# Altium PCB Bran_Main_Assay_PCB_v1.PcbDoc (part 1 of 4) (continued)
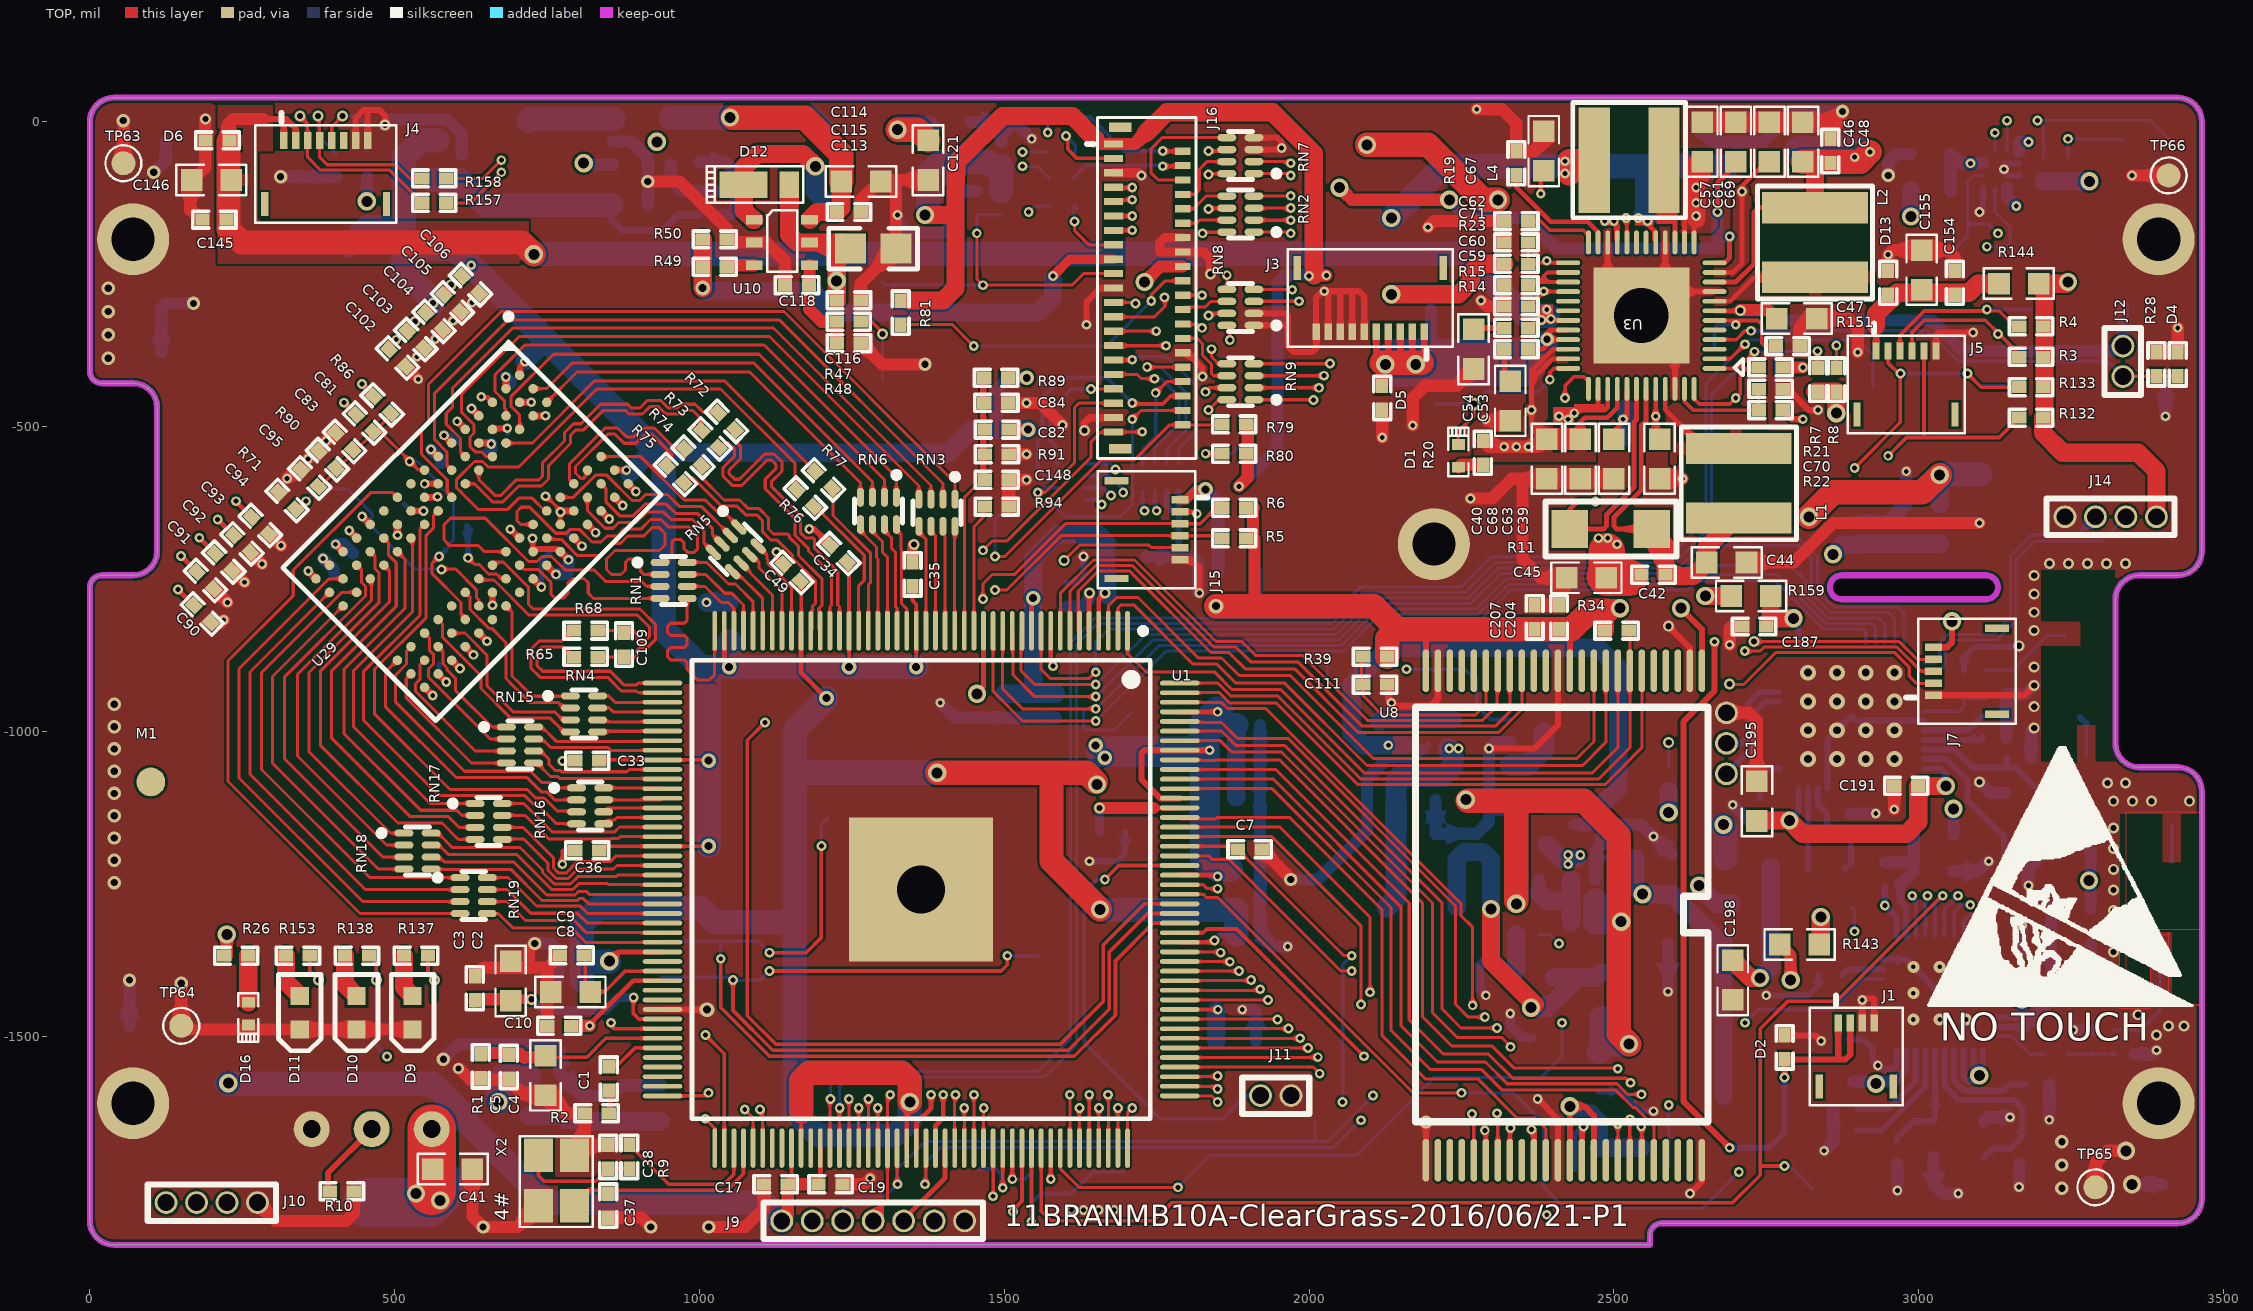
[diagram p0: TOP view]
## Components (designator, comment, footprint, x,y, rotation, side; value= is the part's Value field where it differs from the comment) (continued)
R2 "0R" R_0402 831.37,-1626.63 r0 top
R3 "4.7K" R_0402 3184.37,-385.63 r180 top
R4 "4.7K" R_0402 3184.37,-335.63 r180 top
R5 "4.7K" R_0402 1877.37,-683.63 r180 top
R6 "4.7K" R_0402 1877.37,-633.63 r180 top
R7 "4.7K" R_0402 2835,-423.15 r90 top
R8 "4.7K" R_0402 2865,-423.15 r90 top
R9 "0R" R_0402 885,-1698.15 r90 top
R10 "NC/100R" R_0402 413.37,-1754.63 r180 top
R11 "0R03" R_1206 2495,-668.15 r180 top
R12 "100K-1%" R_0402 1035,-133.15 r90 bottom
R13 "150K-1%" R_0402 1000,-133.15 r270 bottom
R14 "1R" R_0402 2340,-373.15 r0 top
R15 "1R" R_0402 2340,-338.15 r180 top
R17 "100K-1%" R_0402 2195,-1003.15 r90 bottom
R18 "442K-1%" R_0402 2155,-1003.15 r270 bottom
R19 "200K-1%" R_0402 2340,-68.15 r270 top
R20 "60.4R" R_0402 2285,-543.15 r270 top
R21 "47K" R_0402 2757.07,-403.15 r0 top
R22 "1K" R_0402 2757.07,-473.15 r0 top
R23 "47K" R_0402 2340,-233.15 r180 top
R24 "3M-1%" R_0402 2450,-1278.15 r0 bottom
R26 "60.4R" R_0402 240,-1368.15 r180 top
R27 "1M-1%" R_0402 2450,-1243.15 r180 bottom
R28 "510R" R_0402 3390,-398.15 r90 top
R32 "NC/0R-1%" R_0402 2455,-1683.15 r180 bottom
R34 "10K" R_0402 2504.57,-834.72 r0 top
R35 "NC/0R-1%" R_0402 2455,-1718.15 r0 bottom
R39 "10K" R_0402 2108.37,-877.63 r180 top
R44 "33R" R_0402 1593.37,8.37 r180 bottom
R45 "33R" R_0402 1594.37,-49.63 r180 bottom
R46 "33R" R_0402 1593.37,-92.63 r180 bottom
R47 "47K" R_0402 1245,-328.15 r0 top
R48 "100K" R_0402 1245,-363.15 r180 top
R49 "2K2-1%" R_0402 1025,-238.15 r180 top
R50 "2R2-1%" R_0402 1025,-193.15 r180 top
R54 "33R" R0402 1595,-138.15 r180 bottom
R55 "10K" R_0402 1495,-133.15 r90 bottom
R65 "24R-1%" R_0402 813.2,-877.81 r180 top
R68 "24R-1%" R_0402 813.19,-834.8 r180 top
R71 "240R-1%" R_0402 323.59,-621.54 r315 top
R72 "24R-1%" R_0402 1044.59,-491.54 r135 top
R73 "24R-1%" R_0402 1017.59,-520.54 r135 top
R74 "24R-1%" R_0402 989.59,-550.54 r135 top
R75 "24R-1%" R_0402 960.59,-578.54 r135 top
R76 "24R-1%" R_0402 1173.59,-617.54 r135 top
R77 "24R-1%" R_0402 1203.59,-587.54 r135 top
R79 "10K" R_0402 1877.37,-496.63 r180 top
R80 "10K" R_0402 1877.37,-544.63 r180 top
R81 "10K" R_0402 1330,-313.15 r270 top
R86 "2K-1%" R_0402 479.59,-464.54 r135 top
R89 "2K-1%" R_0402 1486.52,-420.19 r0 top
R90 "2K-1%" R_0402 389.59,-554.54 r315 top
R91 "2K-1%" R_0402 1487.97,-545.58 r180 top
R94 "240R-1%" R_0402 1487.59,-631.54 r180 top
R99 "10K" R_0402 454.37,-70.63 r270 bottom
R128 "0R-1%" R_0603 1882.37,-738.63 r180 bottom
R129 "10K" R_0402 3205,-78.15 r90 bottom
R130 "10K" R_0402 3245,-78.15 r90 bottom
R131 "10K" R_0402 2590,-1078.15 r90 bottom
R132 "10K" R_0402 3184.37,-485.63 r180 top
R133 "10K" R_0402 3184.37,-435.63 r180 top
R136 "0R-1%" R_0805 1375,-48.15 r270 bottom
R137 "510R" R0402 535,-1368.15 r180 top
R138 "680R" R0402 438.12,-1368.15 r180 top
R141 "0R-1%" R_0603 3249.57,-1289.72 r180 bottom
R142 "0R-1%" R_0603 3024.57,-1169.72 r180 bottom
R143 "0R-1%" R_0603 2804.57,-1349.72 r180 top
R144 "0R-1%" R_0603 3164.37,-265.63 r0 top
R145 "0R-1%" R0603 3034.57,-659.72 r90 bottom
R146 "0R-1%" R_0603 3020,-113.15 r0 bottom
R147 "0R-1%" R_0603 720,-1598.15 r90 bottom
R151 "0R" R_0402 2785,-368.15 r180 top
R153 "680R" R0402 341.25,-1368.15 r180 top
R154 "0R-1%" R_0402 2854.57,-1399.72 r180 bottom
R155 "33K-1%" R_0402 2944.57,-1234.72 r90 bottom
R156 "0R-1%" R_0402 3224.57,-1529.72 r180 bottom
R157 "0R" R_0402 565,-133.15 r0 top
R158 "0R" R_0402 565,-93.15 r0 top
R159 "0R-1%" R_0603 2725,-778.15 r180 top
R160 "0R-1%" R_0402 3415,-1133.15 r270 bottom
R161 "0R-1%" R_0402 3275,-1058.15 r90 bottom
RN1 "24R*4" RCA50-8/3 957.59,-752.54 r0 top
RN2 "100R*4" RCA50-8/3 1887.37,-151.63 r180 top
RN3 "24R*4" RCA50-8/3 1389.59,-641.55 r270 top
RN4 "33R*4" RCA50-8/3 810.59,-971.54 r0 top
RN5 "24R*4" RCA50-8/3 1059.59,-701.54 r315 top
RN6 "24R*4" RCA50-8/3 1293.58,-638.54 r270 top
RN7 "100R*4" RCA50-8/3 1887.37,-55.63 r180 top locked
RN8 "100R*4" RCA50-8/3 1887.37,-304.63 r180 top
RN9 "100R*4" RCA50-8/3 1887.37,-426.63 r180 top
RN10 "100R*4" RCA50-8/3 1756.72,-584.82 r90 bottom
RN11 "100R*4" RCA50-8/3 1609.37,-590.63 r180 bottom
RN15 "33R*4" RCA50-8/3 705.59,-1022.54 r0 top
RN16 "33R*4" RCA50-8/3 820.68,-1122.41 r0 top
RN17 "33R*4" RCA50-8/3 654.22,-1147.96 r0 top
RN18 "33R*4" RCA50-8/3 537.59,-1196.54 r0 top
RN19 "33R*4" RCA50-8/3 629.59,-1269.54 r0 top
TP1 "Test Point" TESTPOINT2 3275,-1188.15 r180 bottom
TP3 "Test Point" TESTPOINT2 2535,-1208.15 r90 bottom
TP4 "Test Point" TESTPOINT2 2668.74,-1758.15 r90 bottom
TP5 "Test Point" TESTPOINT2 2590,-1713.15 r90 bottom
TP12 "Test Point" TESTPOINT2 1650,-863.15 r90 bottom
TP13 "Test Point" TESTPOINT2 2700,-695.6 r90 bottom
TP14 "Test Point" TESTPOINT2 2790,-728.15 r90 bottom
TP15 "Test Point" TESTPOINT2 1710,-968.15 r90 bottom
TP16 "Test Point" TESTPOINT2 2030,-908.15 r90 bottom
TP18 "Test Point" TESTPOINT2 2200,-308.15 r90 bottom
TP19 "Test Point" TESTPOINT2 2750,-1678.15 r90 bottom
TP20 "Test Point" TESTPOINT2 3055,-213.15 r90 bottom
TP21 "Test Point" TESTPOINT2 3185,-308.15 r90 bottom
TP22 "Test Point" TESTPOINT2 1210,-1143.15 r90 bottom
TP23 "Test Point" TESTPOINT2 1560,-1363.15 r90 bottom
TP27 "Test Point" TESTPOINT2 2010,-1638.15 r90 bottom
TP28 "Test Point" TESTPOINT2 3140,-433.15 r90 bottom
TP29 "Test Point" TESTPOINT1 2340,-1793.15 r90 bottom
TP30 "Test Point" TESTPOINT1 1545,-1723.15 r90 bottom
TP31 "Test Point" TESTPOINT1 1460,-1723.15 r90 bottom
TP32 "Test Point" TESTPOINT1 2890,-1288.15 r90 bottom
TP33 "Test Point" TESTPOINT1 1695,-1723.15 r90 bottom
TP34 "Test Point" TESTPOINT1 2825,-1758.15 r90 bottom
TP35 "Test Point" TESTPOINT2 2141.26,-1631.89 r90 bottom
TP36 "Test Point" TESTPOINT2 3335,-308.15 r90 bottom
TP37 "Test Point" TESTPOINT2 3100,-578.15 r90 bottom
TP38 "Test Point" TESTPOINT2 425,-203.15 r90 bottom
TP39 "Test Point" TESTPOINT2 2270,-158.15 r90 bottom
TP40 "Test Point" TESTPOINT2 455,-1773.15 r90 bottom
TP41 "Test Point" TESTPOINT2 2177.66,-115.49 r90 bottom
TP42 "Test Point" TESTPOINT2 2805,-48.15 r90 bottom
TP43 "Test Point" TESTPOINT2 2207.81,-463.15 r90 bottom
TP45 "Test Point" TESTPOINT2 2275,-913.15 r90 bottom
TP46 "Test Point" TESTPOINT2 2785,-453.15 r90 bottom
TP47 "Test Point" TESTPOINT2 2925,-433.15 r90 bottom
TP48 "Test Point" TESTPOINT2 2665.08,-373.27 r90 bottom
TP49 "Test Point" TESTPOINT2 117.19,-378.15 r90 bottom
TP51 "Test Point" TESTPOINT2 1300,-423.15 r90 bottom
TP52 "Test Point" TESTPOINT2 1300,-263.15 r90 bottom
TP53 "Test Point" TESTPOINT2 1885,-533.15 r90 bottom
TP54 "Test Point" TESTPOINT2 1495,-643.15 r90 bottom
TP55 "Test Point" TESTPOINT2 1590,-368.15 r90 bottom
TP56 "Test Point" TESTPOINT2 3334.65,-31.5 r90 bottom
TP57 "Test Point" TESTPOINT2 3413.39,-31.5 r90 bottom
TP58 "Test Point" TESTPOINT2 2520,-533.15 r90 bottom
TP59 "Test Point" TESTPOINT2 3400,-1743.15 r90 bottom
TP60 "Test Point" TESTPOINT2 65,-1483.15 r90 bottom
TP61 "Test Point" TESTPOINT2 125,-33.15 r90 bottom
TP62 "Test Point" TESTPOINT2 3405,-433.15 r90 bottom
TP63 "Test Point" TESTPOINT2 55,-68.15 r90 top
TP64 "Test Point" TESTPOINT2 150,-1483.15 r90 top
TP65 "Test Point" TESTPOINT2 3290,-1748.15 r90 top
TP66 "Test Point" TESTPOINT2 3410,-88.15 r90 top
U1 "R8" TQFP177P0_4 1363.59,-1259.54 r270 top locked
U3 "AXP209" QFN48_6X6 2545,-318.15 r180 top locked
U4 "AP3410/SY8088" SOT-23-5 858.37,-32.63 r0 bottom locked
U5 "AP3410/SY8088" SOT-23-5 2330,-1018.15 r180 bottom
U6 "RT9266" SOT-23-6 2340,-1288.15 r90 bottom
U7 "XR819" QFN40 3034.57,-1429.72 r90 bottom locked
U8 "NAND FLASH X8" SSOP48 2644.37,-900.63 r270 top locked
U9 "AZ1117CH-1.8TRG1" SOT-223 2680,-1473.15 r0 bottom locked
U10 "AP3032/SY7200A" SOT-23-6 1135,-198.15 r0 top
U11 "nRF52832" QFN48_BLE 2889.57,-974.72 r0 bottom locked
U12 "DS_DA226" LGA-12 3135,-78.15 r0 bottom
U29 "DDR3-FBGA96" FBGA96C80P9X13 626.97,-671.9 r315 top locked
X1 "NC-XTAL3225-26M" XTAL/3225 3024.57,-1639.72 r0 bottom
X2 "24M-18pF-3225-10PPM" XTAL/3225 795,-1778.15 r90 top
X3 "16MHZ-10PPM" CRYSTAL2 3169.57,-1134.72 r270 bottom

## Footprints (in the part's own frame and the unit in brackets; to place one, negate y for a bottom-side part, rotate by r counter-clockwise, add the part's x,y. Pads: shape width x height; smd on the part's side, far side on the other; paste and mask are expansions set on the pad)
3216 [mm]
  rect 0.8x0.65 smd: 1(-1.7,-0.475) 3(-1.7,0.475)
  rect 0.8x1.6 smd: 2(1.7,0)
  rect 0.4x0.8 smd: 3(-1.5,0)
  silkscreen extent -2.54,-1.02 2.29,1.02, body extent -1.72,-0.85 1.72,0.85, height 1.8
5040 [mm] "Molded Inductor, 2-Leads, Body 4.90x4.90mm, IPC Medium Density"
  rect 1.7x5.3 smd: 1(-1.45,0) 2(1.45,0)
  silkscreen extent -2.54,-2.92 2.54,2.92, body extent -2.4,-2.75 2.4,2.75, height 4.1
503480-0400 [mm]
  rect 0.7x0.3 smd: 1(1.325,0.75) 2(1.325,0.25) 3(1.325,-0.25) 4(1.325,-0.75)
  rect 1x0.3 smd: 5(-1.325,1.54) 6(-1.325,-1.54)
  silkscreen extent -2.1,-1.94 2.47,1.94
503480-0500 [mm]
  rect 0.7x0.3 smd: 1(1.325,1) 2(1.325,0.5) 3(1.325,0) 4(1.325,-0.5) 5(1.325,-1)
  rect 1x0.3 smd: 6(-1.325,1.79) 7(-1.325,-1.79)
  silkscreen extent -2.1,-2.19 2.47,2.19
503480-0600 [mm]
  rect 0.7x0.3 smd: 1(1.325,1.25) 2(1.325,0.75) 3(1.325,0.25) 4(1.325,-0.25) 5(1.325,-0.75) 6(1.325,-1.25)
  rect 1x0.3 smd: 7(-1.325,2.04) 8(-1.325,-2.04)
  silkscreen extent -2.1,-2.44 2.47,2.44
503480-0800 [mm]
  rect 0.7x0.3 smd: 1(1.325,1.75) 2(1.325,1.25) 3(1.325,0.75) 4(1.325,0.25) 5(1.325,-0.25) 6(1.325,-0.75) 7(1.325,-1.25) 8(1.325,-1.75)
  rect 1x0.3 smd: 9(-1.325,2.54) 10(-1.325,-2.54)
  silkscreen extent -2.1,-2.94 2.47,2.94
503480-1000 [mm]
  rect 0.7x0.3 smd: 1(1.325,2.25) 2(1.325,1.75) 3(1.325,1.25) 4(1.325,0.75) 5(1.325,0.25) 6(1.325,-0.25) 7(1.325,-0.75) 8(1.325,-1.25) 9(1.325,-1.75) 10(1.325,-2.25)
  rect 1x0.3 smd: 11(-1.325,3.04) 12(-1.325,-3.04)
  silkscreen extent -2.1,-3.44 2.47,3.44
BL-5C [mm]
  round 1.5 hole 0.74: 1(-2.5,0) 2(0,0) 3(2.5,0)
  silkscreen extent -5.1,-1.5 5.1,6.7
C0402 [mm]
  rect 0.6x0.5 smd: 1(-0.5,0) 2(0.5,0)
  silkscreen extent -0.9,-0.35 0.9,0.35, body extent -0.51,-0.25 0.51,0.25, height 0.5
C_0402 [mm]
  rect 0.6x0.5 smd: 1(-0.5,0) 2(0.5,0)
  silkscreen extent -0.9,-0.35 0.9,0.35, body extent -0.51,-0.25 0.51,0.25, height 0.5
C_0603 [mm]
  rect 0.9x0.9 smd: 1(-0.826,0) 2(0.826,0)
  silkscreen extent -1.46,-0.64 1.46,0.64, body extent -1.38,-0.55 1.38,0.55, height 0.9
C_0805 [mm]
  rect 1.3x1.25 smd: 1(-0.95,0) 2(0.95,0)
  silkscreen extent -1.85,-0.85 1.85,0.85, body extent -1.7,-0.73 1.7,0.73, height 0.6
CD32 [mm]
  rect 1.3x4.4 smd: 1(-1.45,0) 2(1.45,0)
  silkscreen extent -2.35,-2.4 2.35,2.4, body extent -1.92,-2.1 2.27,2.1, height 1.8
CRYSTAL2 [mm]
  rect 1.2x1.1 smd: 1(-0.85,-0.7) 3(0.85,0.7) 4(-0.85,0.7)
  oct 1.2x1.1 smd: 2(0.85,-0.7)
  silkscreen extent -1.7,-1.55 1.7,1.55, body extent -1.55,-1.35 1.55,1.35, height 0.55
DEBUG_1 [mm]
  round 0.95 hole 0.7: 1(-1.905,0) 2(-0.635,0) 3(0.635,0)
  silkscreen extent -2.67,-0.76 1.4,0.76
ESD_0402 [mm]
  rect 0.6x0.5 smd: 1(-0.5,0) 2(0.5,0)
  silkscreen extent -0.9,-0.35 0.9,0.35, body extent -0.51,-0.25 0.51,0.25, height 0.5
FBGA96C80P9X13 [mm]
  round 0.4 smd: A1(-3.2,6) A2(-2.4,6) A3(-1.6,6) A7(1.6,6) A8(2.4,6) A9(3.2,6) B1(-3.2,5.2) B2(-2.4,5.2) B3(-1.6,5.2) B7(1.6,5.2) B8(2.4,5.2) B9(3.2,5.2) C1(-3.2,4.4) C2(-2.4,4.4) C3(-1.6,4.4) C7(1.6,4.4) C8(2.4,4.4) C9(3.2,4.4) D1(-3.2,3.6) D2(-2.4,3.6) D3(-1.6,3.6) D7(1.6,3.6) D8(2.4,3.6) D9(3.2,3.6) E1(-3.2,2.8) E2(-2.4,2.8) E3(-1.6,2.8) E7(1.6,2.8) E8(2.4,2.8) E9(3.2,2.8) F1(-3.2,2) F2(-2.4,2) F3(-1.6,2) F7(1.6,2) F8(2.4,2) F9(3.2,2) G1(-3.2,1.2) G2(-2.4,1.2) G3(-1.6,1.2) G7(1.6,1.2) G8(2.4,1.2) G9(3.2,1.2) H1(-3.2,0.4) H2(-2.4,0.4) H3(-1.6,0.4) H7(1.6,0.4) H8(2.4,0.4) H9(3.2,0.4) J1(-3.2,-0.4) J2(-2.4,-0.4) J3(-1.6,-0.4) J7(1.6,-0.4) J8(2.4,-0.4) J9(3.2,-0.4) K1(-3.2,-1.2) K2(-2.4,-1.2) K3(-1.6,-1.2) K7(1.6,-1.2) K8(2.4,-1.2) K9(3.2,-1.2) L1(-3.2,-2) L2(-2.4,-2) L3(-1.6,-2) L7(1.6,-2) L8(2.4,-2) L9(3.2,-2) M1(-3.2,-2.8) M2(-2.4,-2.8) M3(-1.6,-2.8) M7(1.6,-2.8) M8(2.4,-2.8) M9(3.2,-2.8) N1(-3.2,-3.6) N2(-2.4,-3.6) N3(-1.6,-3.6) N7(1.6,-3.6) N8(2.4,-3.6) N9(3.2,-3.6) P1(-3.2,-4.4) P2(-2.4,-4.4) P3(-1.6,-4.4) P7(1.6,-4.4) P8(2.4,-4.4) P9(3.2,-4.4) R1(-3.2,-5.2) R2(-2.4,-5.2) R3(-1.6,-5.2) R7(1.6,-5.2) R8(2.4,-5.2) R9(3.2,-5.2) T1(-3.2,-6) T2(-2.4,-6) T3(-1.6,-6) T7(1.6,-6) T8(2.4,-6) T9(3.2,-6)
  silkscreen extent -5.38,-6.65 4.5,7.52
FH26-25S-0.3SHW [mm]
  rect 0.3x0.8 smd: 1(-6,-1.438) 3(-5.4,-1.438) 5(-4.8,-1.438) 7(-4.2,-1.438) 9(-3.6,-1.438) 11(-3,-1.438) 13(-2.4,-1.438) 15(-1.8,-1.438) 17(-1.2,-1.438) 19(-0.6,-1.438) 21(0,-1.438) 23(0.6,-1.438) 25(1.2,-1.438) 27(1.8,-1.438) 29(2.4,-1.438) 31(3,-1.438) 33(3.6,-1.438) 35(4.2,-1.438) 37(4.8,-1.438) 39(5.4,-1.438) 41(6,-1.438)
  rect 0.3x0.65 smd: 2(-5.7,1.438) 4(-5.1,1.438) 6(-4.5,1.438) 8(-3.9,1.438) 10(-3.3,1.438) 12(-2.7,1.438) 14(-2.1,1.438) 16(-1.5,1.438) 18(-0.9,1.438) 20(-0.3,1.438) 22(0.3,1.438) 24(0.9,1.438) 26(1.5,1.438) 28(2.1,1.438) 30(2.7,1.438) 32(3.3,1.438) 34(3.9,1.438) 36(4.5,1.438) 38(5.1,1.438) 40(5.7,1.438)
  rect 0.4x0.95 smd: 42(-6.7,-1.162) 43(6.7,-1.162)
  silkscreen extent -7.11,-2.54 7.11,2
L_0402 [mm]
  rect 0.6x0.5 smd: 1(-0.5,0) 2(0.5,0)
  silkscreen extent -0.9,-0.35 0.9,0.35, body extent -0.51,-0.25 0.51,0.25, height 0.5
L_0603 [mm]
  rect 0.9x0.9 smd: 1(-0.826,0) 2(0.826,0)
  silkscreen extent -1.46,-0.64 1.46,0.64, body extent -1.38,-0.55 1.38,0.55, height 0.9
LED0402 [mm]
  rect 0.45x0.55 smd: 1(-0.475,0) 2(0.475,0)
  silkscreen extent -0.86,-0.42 1.18,0.42
LED_0603 [mil]
  rect 30x30 smd: 1(-27.5,0) 2(27.5,0)
  silkscreen extent -63,-35 62,35
LGA-12 [mm]
  rect 0.275x0.25 smd: 1(-0.75,0.75) 2(-0.75,0.25) 3(-0.75,-0.25) 4(-0.75,-0.75) 7(0.75,-0.75) 8(0.75,-0.25) 9(0.75,0.25) 10(0.75,0.75)
  rect 0.25x0.275 smd: 5(-0.25,-0.75) 6(0.25,-0.75) 11(0.25,0.75) 12(-0.25,0.75)
  silkscreen extent -1.14,-1.14 1.14,1.52
MARK_POINT#1 [mm]
  round 1.2 smd: 4(0,0)
  round 2.4 on Top Solder: 5(0,0)
MARK_POINT#2 [mm]
  round 1.2 smd: 4(0,0)
  round 2.4 on Bottom Solder: 5(0,0)
NYD-NOtouch [mil]
  silkscreen extent -209,-187 224,236
PROGRAM_1/2 [mm]
  rect 1.1x2 smd: 1(0,0.95)
  rect 1.1x0.8 smd: 2(0,-0.95)
  silkscreen extent -0.76,-1.52 0.76,2.49
PROGRAM_1/3 [mm]
  round 0.95 hole 0.7: 1(-3.81,0) 2(-2.54,0) 3(-1.27,0) 4(0,0) 5(1.27,0) 6(2.54,0) 7(3.81,0)
  silkscreen extent -4.57,-0.76 4.57,0.76
PROGRAM_1/4 [mm]
  round 0.95 hole 0.7: 1(-1.905,0) 2(-0.635,0) 3(0.635,0) 4(1.905,0)
  silkscreen extent -2.67,-0.76 2.67,0.76
PROGRAM_1/5 [mm]
  round 0.95 hole 0.7: 1(-0.635,0) 2(0.635,0)
  silkscreen extent -1.4,-0.76 1.4,0.76
QFN40 [mm]
  oval 0.95x0.2 smd: 1(-2.375,1.8) 2(-2.375,1.4) 3(-2.375,1) 4(-2.375,0.6) 5(-2.375,0.2) 6(-2.375,-0.2) 7(-2.375,-0.6) 8(-2.375,-1) 9(-2.375,-1.4) 10(-2.375,-1.8) 21(2.375,-1.8) 22(2.375,-1.4) 23(2.375,-1) 24(2.375,-0.6) 25(2.375,-0.2) 26(2.375,0.2) 27(2.375,0.6) 28(2.375,1) 29(2.375,1.4) 30(2.375,1.8)
  oval 0.2x0.95 smd: 11(-1.8,-2.375) 12(-1.4,-2.375) 13(-1,-2.375) 14(-0.6,-2.375) 15(-0.2,-2.375) 16(0.2,-2.375) 17(0.6,-2.375) 18(1,-2.375) 19(1.4,-2.375) 20(1.8,-2.375) 31(1.8,2.375) 32(1.4,2.375) 33(1,2.375) 34(0.6,2.375) 35(0.2,2.375) 36(-0.2,2.375) 37(-0.6,2.375) 38(-1,2.375) 39(-1.4,2.375) 40(-1.8,2.375)
  rect 3.3x3.3 smd: 41(0,0)
  silkscreen extent -3.47,-2.7 2.7,2.7, body extent -2.55,-2.55 2.55,2.55, height 0.8
QFN48_6X6 [mm]
  oval 1x0.2 smd: 1(-3.05,2.2) 2(-3.05,1.8) 3(-3.05,1.4) 4(-3.05,1) 5(-3.05,0.6) 6(-3.05,0.2) 7(-3.05,-0.2) 8(-3.05,-0.6) 9(-3.05,-1) 10(-3.05,-1.4) 11(-3.05,-1.8) 12(-3.05,-2.2) 25(3.05,-2.2) 26(3.05,-1.8) 27(3.05,-1.4) 28(3.05,-1) 29(3.05,-0.6) 30(3.05,-0.2) 31(3.05,0.2) 32(3.05,0.6) 33(3.05,1) 34(3.05,1.4) 35(3.05,1.8) 36(3.05,2.2)
  oval 0.2x1 smd: 13(-2.2,-3.05) 14(-1.8,-3.05) 15(-1.4,-3.05) 16(-1,-3.05) 17(-0.6,-3.05) 18(-0.2,-3.05) 19(0.2,-3.05) 20(0.6,-3.05) 21(1,-3.05) 22(1.4,-3.05) 23(1.8,-3.05) 24(2.2,-3.05) 37(2.2,3.05) 38(1.8,3.05) 39(1.4,3.05) 40(1,3.05) 41(0.6,3.05) 42(0.2,3.05) 43(-0.2,3.05) 44(-0.6,3.05) 45(-1,3.05) 46(-1.4,3.05) 47(-1.8,3.05) 48(-2.2,3.05)
  rect 4x4 / inner round 3.048 / far side round 3.048 hole 2.286: 49(0,0)
  silkscreen extent -4.24,1.8 -3.89,2.49
QFN48_BLE [mm]
  oval 0.65x0.2 smd: 1(-3.025,2.2) 2(-3.025,1.8) 3(-3.025,1.4) 4(-3.025,1) 5(-3.025,0.6) 6(-3.025,0.2) 7(-3.025,-0.2) 8(-3.025,-0.6) 9(-3.025,-1) 10(-3.025,-1.4) 11(-3.025,-1.8) 12(-3.025,-2.2) 25(3.025,-2.2) 26(3.025,-1.8) 27(3.025,-1.4) 28(3.025,-1) 29(3.025,-0.6) 30(3.025,-0.2) 31(3.025,0.2) 32(3.025,0.6) 33(3.025,1) 34(3.025,1.4) 35(3.025,1.8) 36(3.025,2.2)
  oval 0.2x0.65 smd: 13(-2.2,-3.025) 14(-1.8,-3.025) 15(-1.4,-3.025) 16(-1,-3.025) 17(-0.6,-3.025) 18(-0.2,-3.025) 19(0.2,-3.025) 20(0.6,-3.025) 21(1,-3.025) 22(1.4,-3.025) 23(1.8,-3.025) 24(2.2,-3.025) 37(2.2,3.025) 38(1.8,3.025) 39(1.4,3.025) 40(1,3.025) 41(0.6,3.025) 42(0.2,3.025) 43(-0.2,3.025) 44(-0.6,3.025) 45(-1,3.025) 46(-1.4,3.025) 47(-1.8,3.025) 48(-2.2,3.025)
  rect 4.7x4.7 smd: 49(0,0)
  silkscreen extent -4.02,-3 3,3, body extent -3.02,-3.02 3.02,3.02, height 0.86
R0402 [mm]
  rect 0.6x0.5 smd: 1(-0.5,0) 2(0.5,0)
  silkscreen extent -0.9,-0.35 0.9,0.35, body extent -0.51,-0.25 0.51,0.25, height 0.5
R0603 [mm]
  rect 0.9x0.9 smd: 1(-0.826,0) 2(0.826,0)
  silkscreen extent -1.46,-0.64 1.46,0.64, body extent -1.38,-0.55 1.38,0.55, height 0.9
R_0402 [mm]
  rect 0.6x0.5 smd: 1(-0.5,0) 2(0.5,0)
  silkscreen extent -0.9,-0.35 0.9,0.35, body extent -0.51,-0.25 0.51,0.25, height 0.5
R_0603 [mm]
  rect 0.9x0.9 smd: 1(-0.826,0) 2(0.826,0)
  silkscreen extent -1.46,-0.64 1.46,0.64, body extent -1.38,-0.55 1.38,0.55, height 0.9
R_0805 [mm]
  rect 1.3x1.25 smd: 1(-0.95,0) 2(0.95,0)
  silkscreen extent -1.85,-0.85 1.85,0.85, body extent -1.7,-0.73 1.7,0.73, height 0.6
R_1206 [mm]
  rect 1.52x1.6 smd: 1(1.71,0) 2(-1.71,0)
  silkscreen extent -2.73,-1.14 2.73,1.14, body extent -2.57,-0.9 2.57,0.9, height 0.9
RCA50-8/3 [mil]
  oval 31x12 smd: 1(-22.23,29.53) 2(-22.23,9.84) 3(-22.23,-9.84) 4(-22.23,-29.53) 5(22.25,-29.53) 6(22.25,-9.84) 7(22.25,9.84) 8(22.25,29.53)
  silkscreen extent -64,-39 20,39
SOT-23-3 [mil]
  rect 40x60 smd: 1(-37.4,-49.21) 2(37.4,-49.21) 3(0,49.21)
  silkscreen extent -70,-90 70,90
SOT-23-5 [mm]
  rect 0.7x0.4 smd: 1(0,0.95) 2(0,0) 3(0,-0.95) 4(2.4,-1) 5(2.4,0.95)
  silkscreen extent 0.6,-1.55 1.8,1.55
SOT-23-6 [mm]
  rect 0.7x0.4 smd: 1(-1.15,0.95) 2(-1.15,0) 3(-1.15,-0.95) 4(1.15,-0.95) 5(1.15,0) 6(1.15,0.95)
  silkscreen extent -0.6,-1.23 0.65,1.35
SOT-223 [mil]
  rect 45x65 smd: 1(-91,-125) 2(0,-125) 3(91,-125)
  rect 118x65 smd: 4(0,125)
  silkscreen extent -125,-65 125,65
SSOP48 [mm]
  oval 1.778x0.275 smd: 1(0,0) 2(0,-0.5) 3(0,-1) 4(0,-1.5) 5(0,-2) 6(0,-2.5) 7(0,-3) 8(0,-3.5) 9(0,-4) 10(0,-4.5) 11(0,-5) 12(0,-5.5) 13(0,-6) 14(0,-6.5) 15(0,-7) 16(0,-7.5) 17(0,-8) 18(0,-8.5) 19(0,-9) 20(0,-9.5) 21(0,-10) 22(0,-10.5) 23(0,-11) 24(0,-11.5) 25(20.4,-11.5) 26(20.4,-11) 27(20.4,-10.5) 28(20.4,-10) 29(20.4,-9.5) 30(20.4,-9) 31(20.4,-8.5) 32(20.4,-8) 33(20.4,-7.5) 34(20.4,-7) 35(20.4,-6.5) 36(20.4,-6) 37(20.4,-5.5) 38(20.4,-5) 39(20.4,-4.5) 40(20.4,-4) 41(20.4,-3.5) 42(20.4,-3) 43(20.4,-2.5) 44(20.4,-2) 45(20.4,-1.5) 46(20.4,-1) 47(20.4,-0.5) 48(20.4,0)
  silkscreen extent 1.52,-11.94 18.8,0.25
TESTPOINT1 [mm]
  round 1 smd: 1(0,0)
  silkscreen extent -0.75,-0.75 0.75,0.75, body extent -0.6,-0.6 0.6,0.6, height 0.1
TESTPOINT2 [mm]
  round 1 smd: 1(0,0)
  silkscreen extent -0.75,-0.75 0.75,0.75, body extent -0.6,-0.6 0.6,0.6, height 0.1
TQFP177P0_4 [mm]
  oval 1.65x0.2 smd: 1(-10.775,8.6) 2(-10.775,8.2) 3(-10.775,7.8) 4(-10.775,7.4) 5(-10.775,7) 6(-10.775,6.6) 7(-10.775,6.2) 8(-10.775,5.8) 9(-10.775,5.4) 10(-10.775,5) 11(-10.775,4.6) 12(-10.775,4.2) 13(-10.775,3.8) 14(-10.775,3.4) 15(-10.775,3) 16(-10.775,2.6) 17(-10.775,2.2) 18(-10.775,1.8) 19(-10.775,1.4) 20(-10.775,1) 21(-10.775,0.6) 22(-10.775,0.2) 23(-10.775,-0.2) 24(-10.775,-0.6) 25(-10.775,-1) 26(-10.775,-1.4) 27(-10.775,-1.8) 28(-10.775,-2.2) 29(-10.775,-2.6) 30(-10.775,-3) 31(-10.775,-3.4) 32(-10.775,-3.8) 33(-10.775,-4.2) 34(-10.775,-4.6) 35(-10.775,-5) 36(-10.775,-5.4) 37(-10.775,-5.8) 38(-10.775,-6.2) 39(-10.775,-6.6) 40(-10.775,-7) 41(-10.775,-7.4) 42(-10.775,-7.8) 43(-10.775,-8.2) 44(-10.775,-8.6) 89(10.775,-8.6) 90(10.775,-8.2) 91(10.775,-7.8) 92(10.775,-7.4) 93(10.775,-7) 94(10.775,-6.6) 95(10.775,-6.2) 96(10.775,-5.8) 97(10.775,-5.4) 98(10.775,-5) 99(10.775,-4.6) 100(10.775,-4.2) 101(10.775,-3.8) 102(10.775,-3.4) 103(10.775,-3) 104(10.775,-2.6) 105(10.775,-2.2) 106(10.775,-1.8) 107(10.775,-1.4) 108(10.775,-1) 109(10.775,-0.6) 110(10.775,-0.2) 111(10.775,0.2) 112(10.775,0.6) 113(10.775,1) 114(10.775,1.4) 115(10.775,1.8) 116(10.775,2.2) 117(10.775,2.6) 118(10.775,3) 119(10.775,3.4) 120(10.775,3.8) 121(10.775,4.2) 122(10.775,4.6) 123(10.775,5) 124(10.775,5.4) 125(10.775,5.8) 126(10.775,6.2) 127(10.775,6.6) 128(10.775,7) 129(10.775,7.4) 130(10.775,7.8) 131(10.775,8.2) 132(10.775,8.6)
  oval 0.2x1.65 smd: 45(-8.6,-10.775) 46(-8.2,-10.775) 47(-7.8,-10.775) 48(-7.4,-10.775) 49(-7,-10.775) 50(-6.6,-10.775) 51(-6.2,-10.775) 52(-5.8,-10.775) 53(-5.4,-10.775) 54(-5,-10.775) 55(-4.6,-10.775) 56(-4.2,-10.775) 57(-3.8,-10.775) 58(-3.4,-10.775) 59(-3,-10.775) 60(-2.6,-10.775) 61(-2.2,-10.775) 62(-1.8,-10.775) 63(-1.4,-10.775) 64(-1,-10.775) 65(-0.6,-10.775) 66(-0.2,-10.775) 67(0.2,-10.775) 68(0.6,-10.775) 69(1,-10.775) 70(1.4,-10.775) 71(1.8,-10.775) 72(2.2,-10.775) 73(2.6,-10.775) 74(3,-10.775) 75(3.4,-10.775) 76(3.8,-10.775) 77(4.2,-10.775) 78(4.6,-10.775) 79(5,-10.775) 80(5.4,-10.775) 81(5.8,-10.775) 82(6.2,-10.775) 83(6.6,-10.775) 84(7,-10.775) 85(7.4,-10.775) 86(7.8,-10.775) 87(8.2,-10.775) 88(8.6,-10.775) 133(8.6,10.775) 134(8.2,10.775) 135(7.8,10.775) 136(7.4,10.775) 137(7,10.775) 138(6.6,10.775) 139(6.2,10.775) 140(5.8,10.775) 141(5.4,10.775) 142(5,10.775) 143(4.6,10.775) 144(4.2,10.775) 145(3.8,10.775) 146(3.4,10.775) 147(3,10.775) 148(2.6,10.775) 149(2.2,10.775) 150(1.8,10.775) 151(1.4,10.775) 152(1,10.775) 153(0.6,10.775) 154(0.2,10.775) 155(-0.2,10.775) 156(-0.6,10.775) 157(-1,10.775) 158(-1.4,10.775) 159(-1.8,10.775) 160(-2.2,10.775) 161(-2.6,10.775) 162(-3,10.775) 163(-3.4,10.775) 164(-3.8,10.775) 165(-4.2,10.775) 166(-4.6,10.775) 167(-5,10.775) 168(-5.4,10.775) 169(-5.8,10.775) 170(-6.2,10.775) 171(-6.6,10.775) 172(-7,10.775) 173(-7.4,10.775) 174(-7.8,10.775) 175(-8.2,10.775) 176(-8.6,10.775)
  rrect0% 6x6 hole 2: 177(0,0)
  silkscreen extent -10.9,-9.55 9.55,9.55
WTB_SIDE_6PIN [mm]
  rect 0.7x2.7 smd: 1(1.95,-3.7) 2(3.45,-3.7) 3(4.95,-3.7) 4(6.45,-3.7) 5(7.95,-3.7) 6(9.45,-3.7)
  rect 1.1x1.9 smd: 7(0,0) 8(11.4,0)
  silkscreen extent -1,-5.2 12.4,1.95
XTAL/3225 [mm]
  rect 1.4x1.2 smd: 1(0,0) 2(2.1,0) 3(2.1,1.5) 4(0,1.5)
  silkscreen extent -0.89,-0.76 2.9,2.29

## Free pads (board coordinates)
  round 118.11 hole 70.87: 0(70.87,-192.91) 0(70.87,-1610.24) 0(2204.72,-692.91) 0(3393.7,-1610.24) 0(3393.7,-192.91)

## Via types
v1: diameter 16, hole 8, TOP to BOTTOM, tented both sides, 396 vias
v2: diameter 30, hole 18, TOP to BOTTOM, tented both sides, 64 vias
v3: diameter 18, hole 10, TOP to BOTTOM, tented both sides, 60 vias
v4: diameter 22, hole 12, TOP to BOTTOM, tented both sides, 35 vias
v5: diameter 25.98, hole 12.99, TOP to BOTTOM, tented both sides, 16 vias
v6: diameter 24, hole 13, TOP to BOTTOM, tented both sides, 15 vias
v7: diameter 19.68, hole 7.87, TOP to BOTTOM, tented both sides, 9 vias
v8: diameter 17.99, hole 10, TOP to BOTTOM, tented both sides, 1 vias

## Nets (pads, with @x,y where several pads share a name; then routed paths per layer and width w, separated by ;. In a path a pad name is that pad's centre, name@x,y a point inside that pad or via, vN(x,y) a via of type N, cw(c..) or ccw(c..) an arc to the next point about the centre after c; other vN are vias at no path point)
A0: RN17.4 U29.N3 | length 663.8
  TOP w5: U29.N3@482.2,-727.59 491.59,-736.97 491.59,-787.54 378.59,-900.54 378.59,-1023.53 505.6,-1150.54 577.59,-1150.54 604.54,-1177.49 RN17.4@631.99,-1177.49
A1: RN15.2 U29.P7 | length 251.4
  TOP w5: U29.P7@549.01,-838.94 556.9,-846.83 556.9,-867.18 563.4,-873.68 563.4,-889.8 555.48,-897.72 555.48,-911.16 657.01,-1012.69 RN15.2@683.36,-1012.69
A2: RN18.2 U29.P3 | length 577.2
  TOP w5: U29.P3@459.93,-749.86 462.04,-751.97 462.04,-785.08 340.59,-906.54 340.59,-1040.54 486.75,-1186.69 RN18.2@515.36,-1186.69
A3: RN18.1 U29.N2 | length 593
  TOP w5: U29.N2@459.93,-705.31 467.82,-713.19 467.82,-733.55 474.59,-740.32 474.59,-788.54 359.59,-903.54 359.59,-1033.55 493.05,-1167.01 RN18.1@515.36,-1167.01
A4: RN15.1 U29.P8 | length 191.9
  TOP w5: U29.P8@571.28,-861.22 579.17,-869.1 579.17,-889.44 585.94,-896.21 585.94,-899.19 599.53,-912.78 599.53,-932.49 660.05,-993.01 RN15.1@683.36,-993.01
A5: RN18.3 U29.P2 | length 641.2
  TOP w5: U29.P2@437.65,-727.58 445.55,-735.47 445.55,-755.82 452.04,-762.31 452.04,-778.08 319.59,-910.54 319.59,-1045.54 480.43,-1206.38 RN18.3@515.36,-1206.38
A6: RN15.3 U29.R8 | length 247
  TOP w5: U29.R8@549.02,-883.47 541.75,-890.75 541.75,-914.06 534.01,-921.8 534.01,-934.24 547.45,-947.69 632.14,-1032.38 RN15.3@683.36,-1032.38
A7: RN19.3 U29.R2 | length 857.8
  TOP w5: U29.R2@415.39,-749.85 392.28,-749.85 244.59,-897.54 244.59,-1076.55 447.42,-1279.38 RN19.3@607.36,-1279.38
A8: RN15.4 U29.T8 | length 251.1
  TOP w5: U29.T8@526.74,-905.76 519.01,-913.49 519.01,-944.94 626.13,-1052.07 RN15.4@683.36,-1052.07
A9: RN19.1 U29.R3 | length 768.5
  TOP w5: U29.R3@437.66,-772.12 413.45,-772.12 281.59,-903.99 281.59,-1062.55 459.05,-1240.01 RN19.1@607.36,-1240.01
A10: RN4.2 U29.L7 | length 311
  TOP w5: U29.L7@615.82,-772.12 623.72,-780.03 623.72,-800.36 654.41,-831.05 659.1,-831.05 682.59,-854.54 682.59,-913.56 694.61,-925.58 706,-936.96 721.58,-952.54 768.03,-952.54 RN4.2@775.03,-959.54 ; RN4.2@775.03,-959.54 RN4.2@788.36,-961.69 786.19,-959.54 RN4.2@775.03,-959.54
A11: RN16.1 U29.R7 | length 456.7
  TOP w5: U29.R7@526.74,-861.21 519.48,-868.47 519.48,-889.69 501.59,-907.58 501.59,-952.53 614.6,-1065.54 722.83,-1065.54 741.59,-1084.3 755.57,-1084.3 764.16,-1092.89 RN16.1@798.45,-1092.88
A12: RN4.4 U29.N7 | length 331.8
  TOP w5: U29.N7@571.28,-816.67 578.56,-823.94 578.56,-845.88 641.59,-908.9 641.59,-929.69 690.44,-978.54 755.24,-978.54 RN4.4@775.24,-998.54 ; RN4.4@775.24,-998.54 785.82,-998.54 RN4.4@788.36,-1001.07 RN4.4@775.24,-998.54
A13: RN18.4 U29.T3 | length 593.7
  TOP w5: U29.T3@415.39,-794.4 299.59,-910.19 299.59,-1052.53 473.13,-1226.07 RN18.4@515.36,-1226.07
A14: RN16.2 U29.T7 | length 461.5
  TOP w5: U29.T7@504.47,-883.47 484.59,-903.36 484.59,-959.53 600.6,-1075.54 716.59,-1075.54 740.35,-1099.3 749.35,-1099.3 762.63,-1112.58 RN16.2@798.45,-1112.57
ANT_RF: A2.3@3245.87,-842.8 C206.1 L10.1 | length 154
  BOTTOM w5.7: L10.1@3109.57,-900.04 C206.1@3144.57,-900.04 3154.25,-900.04 3211.5,-842.8 A2.3@3239.82,-842.8
AVCC: C61.1 TP39.1 U1.81 U3.12 U4.1 | length 3804.7
  TOP w6: v1(855,-1478.15) 855,-1483.15 859.74,-1487.89 U1.81@939.38,-1487.89
  TOP w8: U3.12@2665.08,-231.54 2681.61,-231.54 2690,-223.15 v1(2690,-188.15) ; v1(2670,-148.15) 2670,-100.65 C61.1@2695,-75.65
  TOP w20: v2(2050,-108.15) 2070,-128.15 v2(2230,-128.15)
  POWER w20: v2(810,-68.15) 810,-123.15 900,-213.15 1080,-213.15 ; v1(855,-1478.15) 861.93,-1471.22 861.93,-1406.22 864.08,-1406.22 930,-1340.3 930,-793.15 1080,-643.15 1080,-213.15 ; v2(2050,-108.15) 2047,-111.15 2047,-186.15 2020,-213.15 1080,-213.15
  BOTTOM w20: v2@811.88,-70.03 U4.1@858.37,-70.03 ; v2(2230,-128.15) 2260,-158.15 TP39.1@2270,-158.15 2355,-158.15 2405,-208.15 2670,-208.15 2670,-188.15 ; v1(2670,-148.15) 2670,-188.15 ; v1(2690,-188.15) 2670,-188.15
BA0: RN17.3 U29.M2 | length 676.8
  TOP w5: U29.M2@482.19,-683.05 490.09,-690.94 490.09,-711.28 502.59,-723.78 502.59,-794.69 396.59,-900.69 396.59,-1011.54 524.59,-1139.54 587.59,-1139.54 605.85,-1157.8 RN17.3@631.99,-1157.8
BA1: RN4.3 U29.N8 | length 297
  TOP w5: U29.N8@593.56,-838.94 615.48,-838.94 651.59,-875.05 651.59,-925.54 694.59,-968.54 762.81,-968.54 RN4.3@774.81,-980.54 ; RN4.3@774.81,-980.54 RN4.3@788.36,-981.38 787.51,-980.54 RN4.3@774.81,-980.54
BA2: RN17.2 U29.M3 | length 615.8
  TOP w5: U29.M3@504.47,-705.32 516.59,-717.44 516.59,-798.54 416.59,-898.54 416.59,-1003.54 542.59,-1129.54 601.75,-1129.54 610.33,-1138.12 RN17.2@631.99,-1138.12
BAT: C41.2 C42.2 C45.1 J2.1 R11.1 TP40.1 U3.38 U3.39 U3.42 | length 3827.4
  TOP w8: R11.1@2422.68,-668.15 R11.1@2427.68,-668.15 ; v1(2425,-488.15) v1(2435,-478.15) 2440,-473.15 2485,-473.15 2489.88,-468.27 U3.39@2489.88,-438.23 ; v1(2470,-623.15) 2440,-623.15 2427.68,-635.47 R11.1@2427.68,-668.15 ; 2474.13,-472.28 U3.38@2474.13,-438.23 ; U3.42@2537.13,-438.23 2537.13,-489.05 2533,-493.18 2533,-599.4 2488,-644.4 2488,-663.15 2483,-668.15 R11.1@2427.68,-668.15
  TOP w20: R11.1@2427.68,-688.33 R11.1@2427.68,-668.15
  TOP w60: C45.1@2485,-745.65 C45.1@2487.5,-748.15 ; 2488.13,-705.02 2488.13,-747.52 C45.1@2487.5,-748.15 ; 2525,-748.15 C45.1@2487.5,-748.15
  TOP w80: 560.8,-1753.5 560.8,-1718.15 J2.1@560.8,-1652.63
  POWER w80: 544.57,-1769.72 545.57,-1768.72 559.57,-1754.72 571.14,-1743.15 574.57,-1743.15 1085,-1743.15 1160,-1668.15 1160,-1626.69 1158,-1624.69 1158,-1581.61 1236.46,-1503.15 1685,-1503.15 1720,-1468.15 1720,-1283.15 1825,-1178.15 2346.13,-1178.15 2425.13,-1099.15 2425.13,-742.76 2479.87,-688.02 2482.37,-685.52 2482.37,-683.15 2482.37,-623.15 2482.37,-560.52 2430,-508.15
  BOTTOM w80: TP40.1@455,-1773.15 535,-1773.15 555,-1773.15 566.5,-1761.65 580,-1748.15
  other v1: 2505,-693.15 2475,-683.15 2490,-683.15 2410,-483.15
  other v2: 574.57,-1769.72 535,-1758.15